# Altium PCB PCB_usbHUB.PcbDoc (continued)
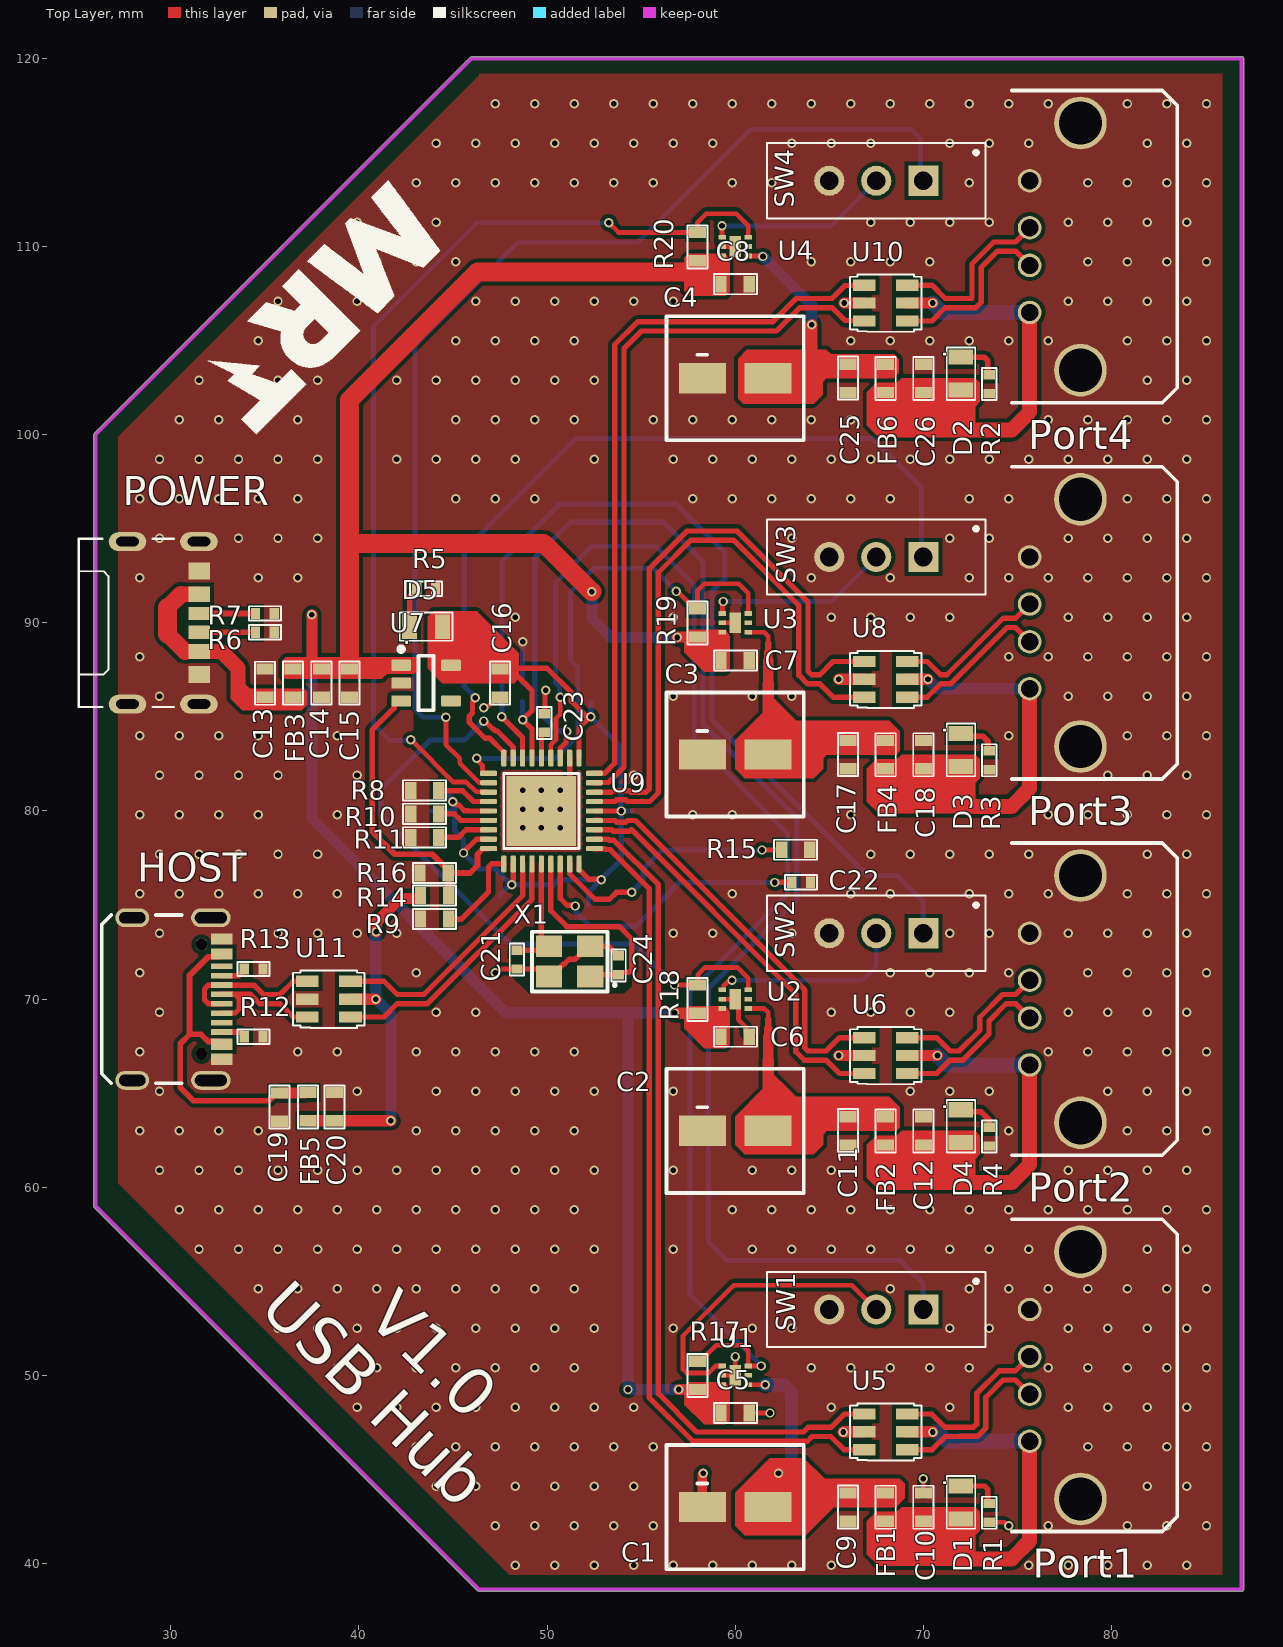
[diagram p0: Top Layer view]
## Part data (continued)
U9: "USB Bus Controller, CMOS", Case/Package=HVQCCN, Manufacturer=Microchip, Max Operating Temperature=85°C, Max Supply Voltage=3.6V, Min Operating Temperature=0°C, Min Supply Voltage=3V, Nominal Supply Voltage=3.3V, Package Shape=Square, Package Style="CHIP CARRIER, HEAT SINK/SLUG, VERY THIN PROFILEMeter", Supplier Part Number=USB2514B/M2-ND, Temperature Grade=OTHER, Category="DSPs - Digital Signal Processors", ComponentLink1Description=https://datasheet.ciiva.com:443/pdfs/VipMasterIC/IC/MCHP/MCHP-S-A0001117205/MCHP-S-A0001117205-1.pdf?src-supplier=IHS+Markit, ComponentLink1URL=https://datasheet.ciiva.com:443/pdfs/VipMasterIC/IC/MCHP/MCHP-S-A0001117205/MCHP-S-A0001117205-1.pdf?src-supplier=IHS+Markit, ComponentLink2Description=http://www.farnell.com/datasheets/2032129.pdf?src-supplier=Farnell, ComponentLink2URL=http://www.farnell.com/datasheets/2032129.pdf?src-supplier=Farnell, ComponentLink3Description=http://www.microchip.com/mymicrochip/filehandler.aspx?ddocname=en562310&src-supplier=Digikey, ComponentLink3URL=http://www.microchip.com/mymicrochip/filehandler.aspx?ddocname=en562310&src-supplier=Digikey, ComponentLink4Description=http://ww1.microchip.com/downloads/en/DeviceDoc/00001692B.pdf?src-supplier=Avnet, ComponentLink4URL=http://ww1.microchip.com/downloads/en/DeviceDoc/00001692B.pdf?src-supplier=Avnet, ComponentLink5Description=https://datasheet.octopart.com/USB2514B-M2-Microchip-datasheet-133510383.pdf?src-supplier=Future+Electronics, ComponentLink5URL=https://datasheet.octopart.com/USB2514B-M2-Microchip-datasheet-133510383.pdf?src-supplier=Future+Electronics, Height - Seated (Max)=1mm, JESD-609 Code=e3, Length=6mm, Manufacturer Part Number=USB2514B/M2, Pins=36, Pricing="1=2,77, 25=2,31, 100=2,225 (USD)", Reach SVHC Compliant=Yes, RoHS=Yes, RoHS Compliant=Yes, Stock=24694, Supplier=Digikey, Surface Mount=Yes, Technology=CMOS, Terminal Finish=Tin, Terminal Form="No Lead", Terminal Pitch=0.5mm, Terminal Position=QUAD, Width=6mm
X1: library part "TSX-3225 24.0000MF15X-AC3", "Crystals 24MHz 10ppm 9pF-40C +85C"

## Via types
v1: diameter 0.5, hole 0.3, Top Layer to Bottom Layer, tented both sides, 585 vias
v2: diameter 0.7, hole 0.3, Top Layer to Bottom Layer, tented both sides, 9 vias

## Nets (pads, with @x,y where several pads share a name; then routed paths per layer and width w, separated by ;. In a path a pad name is that pad's centre, name@x,y a point inside that pad or via, vN(x,y) a via of type N, cw(c..) or ccw(c..) an arc to the next point about the centre after c; other vN are vias at no path point)
+3V3: C16.2 C27.2 C28.2 C29.2 C30.2 C31.2 C32.2 C33.2 D5.2 U7.5 U9.5 U9.10 U9.15 U9.23 U9.26 U9.29 U9.36 | length 50.1
  Top Layer w0.28: v1(44.985,80.483) 45.045,80.483 45.198,80.33 45.285,80.33 45.598,80.017 45.796,80.017 45.813,80 U9.23 ; v1(45.56,77.768) 45.56,77.81 46.25,78.5 U9.26 ; C16.2 47.65,87.55 48.05,87.55 49.2,86.4 49.2,85.35 v1(48.7,84.85) 49.2,84.35 U9.15 ; 48.05,87.589 49.995,87.589 51.29,86.294 51.29,85.835 v1@52.125,85 ; v1(48.116,76.075) 48.116,76.135 48.2,76.219 U9.29 ; U9.36 51.7,76.88 52.205,76.375 52.85,76.375 v1(52.875,76.35) ; U9.10 51.7,84.425 52.275,85 v1(52.325,85) ; U9.5 v1(53.95,80)
  Bottom Layer w0.28: C30.2 45.095,80 ; C27.2 44.25,81.35 44.943,80.657 44.943,80.526 v1(44.985,80.483) ; v1@45.095,80.505 45.095,80 ; C31.2 47.5,75.55 v1@47.983,76.033 ; v1(48.7,84.85) C29.2 ; C33.2 52.2,75.675 v1(52.875,76.35) ; C32.2 v1(52.325,85) 53.91,83.415 53.91,80.04 v1(53.95,80) ; C28.2 v1(53.95,80) ; 45.095,80 45.095,78.933 45.56,78.468 v1(45.56,77.768) 46.406,76.921 47.269,76.921 v1(48.116,76.075) 50.358,76.075 50.633,76.35 v1(52.875,76.35) ; v1(52.875,76.35) 53.95,77.425 v1(53.95,80)
+5V: C13.2 FB3.1 POWER.A9 POWER.B9 | length 10.5
  Top Layer w0.8: 30.533,91.52 POWER.B9 ; 30.749,88.48 POWER.A9 32.695,88.48 33.575,87.6 33.575,86.569 34.044,86.1 C13.2@34.95,86.1
  Top Layer w0.9: 29.829,89.4 30.749,88.48 ; 29.829,90.816 30.533,91.52
  Top Layer w1: 29.829,89.4 29.829,90.816
+5V_FILT: C5.1 C6.1 C7.1 C8.1 C14.2 C15.2 FB3.2 R17.2 R18.2 R19.2 R20.2 U1.6 U2.6 U3.6 U4.6 U7.1 | length 120.7
  Top Layer w0.2: R17.2 58.15,49.25 58.4,49.5 U1.6
  Top Layer w0.6: 37.25,87.75 37.5,88 v1(37.5,90.425) ; v1(56.775,69.275) 56.8,69.25 R18.2 ; v1(56.925,89.225) 56.95,89.25 R19.2 ; v1(57,49.25) R17.2
  Top Layer w1: C15.2 39.5,94.225 ; v1(52.383,91.659) 49.817,94.225 39.5,94.225 ; 58,108.425 57.775,108.65 46.3,108.65 39.5,101.85 39.5,94.225
  Bottom Layer w0.6: v1(37.5,90.425) 37.5,79.6 47.825,69.275 54.25,69.275 ; v1(52.383,91.659) 52.383,90.232 53.39,89.225 v1(56.925,89.225) ; v1(56.775,69.275) 54.25,69.275 ; v1(57,49.25) v1(54.3,49.25) 54.3,69.225 54.25,69.275
+5V_HOST: C19.2 FB5.1 HOST.A4-B9 HOST.B4-A9 | length 17.5
  Top Layer w0.3: HOST.B4-A9 32.557,67.75 32.106,67.75 31.987,67.75 31.61,68.127 31,68.127 30.5,67.627 30.5,65.3 31.2,64.6 35.218,64.6 35.628,65.01 C19.2
  Top Layer w0.31: 31,68.127 31,68.75 31,71.271 31.984,72.255 32.562,72.255 HOST.A4-B9
  Top Layer w0.6: C19.2 37.126,65.01 37.15,65.034 FB5.1
+5V_HOST_FILT: C20.2 FB5.2 R14.2 U11.5 | length 19.7
  Top Layer w0.6: FB5.2 v1(41.7,63.534) ; U11.5 v1(40.9,70) ; v1(40.925,73.575) 40.925,74.1 42.175,75.35 43.274,75.35 R14.2
  Bottom Layer w0.6: v1(40.925,73.575) 40.9,73.55 v1(40.9,70) 41.7,69.2 v1(41.7,63.534)
+5V_PORT1: C1.2 C9.2 FB1.1 U1.1 | length 7.7
  Top Layer w0.25: U1.1 v1(61.6,49.5)
  Top Layer w0.7: 62.3,44.125 v1(62.3,44.8)
  Bottom Layer w0.7: v1(61.6,49.5) 62.59,49.5 63,49.09 63,45.5 v1(62.3,44.8)
+5V_PORT1_FILT: C10.2 D1.2 FB1.2 Port1.1 U5.5 | length 18.7
  Top Layer w0.6: U5.5 70.487,47 v1(70.5,46.987)
  Top Layer w0.8: C10.2 70,42.2 71.95,40.25 74.7,40.25 75.65,41.2 Port1.1
  Bottom Layer w0.8: 70.75,47 71.25,46.5 Port1.1
+5V_PORT2: C2.2 C11.2 FB2.1 U2.1 | length 7.4
  Top Layer w0.25: U2.1 61.55,69.5 61.75,69.3 61.75,68.925
  Top Layer w0.35: 61.75,68.45 61.75,68.925
  Top Layer w0.45: 61.75,68 61.75,68.45
  Top Layer w0.55: 61.75,66.757 61.75,68
  Top Layer w0.6: C2.2 61.75,66.757
+5V_PORT2_FILT: C12.2 D4.2 FB2.2 Port2.1 U6.5 | length 18.9
  Top Layer w0.6: U6.5 70.5,67 v1(70.75,67)
  Top Layer w0.8: C12.2 70,62.2 71.95,60.25 74.7,60.25 75.65,61.2 Port2.1
  Bottom Layer w0.8: v1(70.75,67) 71.25,66.5 Port2.1
+5V_PORT3: C3.2 C17.2 FB4.1 U3.1 | length 7.4
  Top Layer w0.25: U3.1 61.55,89.5 61.75,89.3 61.75,88.925
  Top Layer w0.35: 61.75,88.45 61.75,88.925
  Top Layer w0.45: 61.75,88 61.75,88.45
  Top Layer w0.55: 61.75,86.757 61.75,88
  Top Layer w0.6: C3.2 61.75,86.757
+5V_PORT3_FILT: C18.2 D3.2 FB4.2 Port3.1 U8.5 | length 18.9
  Top Layer w0.6: U8.5 v1(70.25,87)
  Top Layer w0.8: C18.2 70,82.2 71.95,80.25 74.7,80.25 75.65,81.2 Port3.1
  Bottom Layer w0.6: v1(70.25,87) 70.75,86.5 Port3.1
+5V_PORT4: C4.2 C25.2 FB6.1 U4.1 | length 10.4
  Top Layer w0.25: U4.1 61.45,109.5 v1(61.475,109.475)
  Top Layer w0.6: C4.2 61.9,103.15 63.724,103.15 64.075,103.501 v1(64.075,105.85)
  Bottom Layer w0.6: v1(61.475,109.475) 64.075,106.875 v1(64.075,105.85)
+5V_PORT4_FILT: C26.2 D2.2 FB6.2 Port4.1 U10.5 | length 18.9
  Top Layer w0.6: U10.5 v1(70.5,107)
  Top Layer w0.8: C26.2 70,102.2 71.95,100.25 74.7,100.25 75.65,101.2 Port4.1
  Bottom Layer w0.8: v1(70.5,107) 71,106.5 Port4.1
CFG0: R10.1 U9.24 | length 2.8
  Top Layer w0.28: R10.1 45.069,79.85 45.419,79.5 U9.24
CFG1: R11.1 U9.25 | length 2.8
  Top Layer w0.28: R11.1 45.295,78.6 45.695,79 U9.25
CRFILT: C23.1 U9.14 | length 1.5
  Top Layer w0.28: U9.14 49.7,84.065 49.81,84.175 C23.1
EN1: SW1.1 U9.12 | length 76.3
  Top Layer w0.28: U9.12 50.7,83.34 51.008,83.648 51.008,84.183 v1(51.05,84.225)
  Bottom Layer w0.28: v1(51.05,84.225) 51.008,84.267 50.557,84.267 49.34,85.484 49.34,93.44 51.25,95.35 56.2,95.35 58.29,93.26 58.29,84.631 63.265,79.656 63.265,75.271 58.575,70.581 58.575,57.075 59.55,56.1 68.775,56.1 70,54.875 SW1.1
EN2: SW2.1 U9.16 | length 51.2
  Top Layer w0.28: v1(47.6,85) 48.7,83.9 U9.16
  Bottom Layer w0.28: v1(47.6,85) 47.6,93.275 50.625,96.3 56.875,96.3 59.45,93.725 59.45,92.35 58.77,91.67 58.77,84.83 67.025,76.575 68.6,76.575 70,75.175 SW2.1
EN3: SW3.1 U9.18 | length 43.9
  Top Layer w0.28: v1(46.191,86.025) 46.191,85.965 46.035,85.809 46.035,85.215 45.868,85.048 45.868,84.707 46.713,83.862 46.958,83.862 47.7,83.12 U9.18
  Bottom Layer w0.28: v1(46.191,86.025) 45.6,86.616 45.6,93.85 51.55,99.8 67.3,99.8 69.9,97.2 69.9,93.6 SW3.1
EN4: SW4.1 U9.20 | length 60
  Top Layer w0.25: v1(44.625,84.975) 44.625,83.517 45.351,82.791 45.351,82.53 46.366,81.515 46.875,81.515 U9.20
  Bottom Layer w0.25: v1(44.625,84.975) 43.4,84.975 42.975,85.4 42.975,104.725 48.475,110.225 54.825,110.225 60.825,116.225 69.35,116.225 69.85,115.725 69.85,113.65 SW4.1
ENABLE1: SW1.2 U1.4 | length 16
  Top Layer w0.25: U1.4 58.96,50.5 58.585,50.125 57.415,50.125 57.225,50.315 57.225,52.1 59.921,54.796 66.204,54.796 SW1.2
ENABLE2: SW2.2 U2.4 | length 10.6
  Top Layer w0.25: U2.4 59.375,70.5 59.375,70.685 59.643,70.952 59.781,70.952 v1(59.829,71)
  Bottom Layer w0.25: v1(59.829,71) 66.775,71 67.5,71.725 SW2.2
ENABLE3: SW3.2 U3.4 | length 9.8
  Top Layer w0.25: U3.4 59.33,90.5 59.33,91.105 v1(59.36,91.135)
  Bottom Layer w0.25: v1(59.36,91.135) 65.135,91.135 SW3.2
ENABLE4: SW4.2 U4.4 | length 9.8
  Top Layer w0.25: U4.4 v1(59.3,111.1)
  Bottom Layer w0.25: v1(59.3,111.1) 65.1,111.1 SW4.2
GND: C1.1 C2.1 C3.1 C4.1 C5.2 C6.2 C7.2 C8.2 C9.1 C10.1 C11.1 C12.1 C13.1 C14.1 C15.1 C16.1 C17.1 C18.1 C19.1 C20.1 C21.2 C22.2 C23.2 C24.2 C25.1 C26.1 C27.1 C28.1 C29.1 C30.1 C31.1 C32.1 C33.1 HOST.A1-B12 HOST.B1-A12 HOST.SH Port1.4 Port1.5 Port2.4 Port2.5 Port3.4 Port3.5 Port4.4 Port4.5 POWER.7 POWER.A12 POWER.B12 R1.2 R2.2 R3.2 R4.2 R5.1 R6.1 R7.1 R8.2 R9.2 R10.2 R11.2 R12.1 R13.1 R15.1 R16.1 SW1.3 SW2.3 SW3.3 SW4.3 U1.5 U1.GND U2.5 U2.GND U3.5 U3.GND U4.5 U4.GND U5.2 U6.2 U7.2 U8.2 U9.11 U9.37 U10.2 U11.2 X1.2 X1.4 | length 31.5
  Top Layer w0.25: v1(46.63,85.48) 46.678,85.528 46.828,85.528 47.35,86.05 C16.1 ; v1(47.25,71.4) 47.318,71.4 47.518,71.6 C21.2 49.7,71.6 X1.2 ; C23.2 49.89,85.215 49.89,86.369 v1(49.93,86.409) ; U1.5 U1.GND v1(60,51) ; U2.5 U2.GND 60.175,69.825 60.175,68.908 60.575,68.508 60.575,68.175 C6.2 ; U3.5 U3.GND ; U4.5 U4.GND ; C5.2 v1(61.85,48) ; C10.1 v1(70,44.5) ; R1.2 74.291,42.191 74.482,42 v1(74.55,42)
  Top Layer w0.28: U9.37 51.2,81.5 U9.11 ; X1.2 50.225,71.2 50.91,71.885 50.941,71.885 51.171,72.115 51.49,72.115 52.175,72.8 X1.4 53.3,72.8 53.64,72.46 53.64,72.41 53.75,72.3 C24.2
  Top Layer w0.5: C1.1 58.25,44.75 v1(58.3,44.8)
  Top Layer w0.6: v1(65.5,67) U6.2 ; v1(65.5,87) U8.2 ; v1(65.75,46.987) 65.763,47 U5.2 ; v1(65.802,107) U10.2
  Bottom Layer w0.28: C29.1 v1(48.7,89)
  other v1: 48.3,39.9 50.4,39.9 52.5,39.9 54.6,39.9 56.7,39.9 58.8,39.9 60.9,39.9 63,39.9 65.1,39.9 75.6,39.9 77.7,39.9 79.8,39.9 81.9,39.9 84,39.9 47.25,42 49.35,42 51.45,42 53.55,42 55.65,42 76.65,42 80.85,42 82.95,42 85.05,42 44.1,44.1 46.2,44.1 48.3,44.1 50.4,44.1 52.5,44.1 54.6,44.1 81.9,44.1 84,44.1 43.05,46.2 45.15,46.2 47.25,46.2 49.35,46.2 51.45,46.2 53.55,46.2 55.65,46.2 78.75,46.2 80.85,46.2 82.95,46.2 85.05,46.2 39.9,48.3 42,48.3 44.1,48.3 46.2,48.3 48.3,48.3 50.4,48.3 52.5,48.3 54.6,48.3 65.1,48.3 71.4,48.3 77.7,48.3 79.8,48.3 81.9,48.3 84,48.3 38.85,50.4 40.95,50.4 43.05,50.4 45.15,50.4 47.25,50.4 49.35,50.4 51.45,50.4 64.05,50.4 66.15,50.4 68.25,50.4 70.35,50.4 72.45,50.4 76.65,50.4 78.75,50.4 80.85,50.4 82.95,50.4 85.05,50.4 35.7,52.5 37.8,52.5 39.9,52.5 42,52.5 44.1,52.5 46.2,52.5 48.3,52.5 50.4,52.5 52.5,52.5 56.7,52.5 60.9,52.5 63,52.5 71.4,52.5 73.5,52.5 77.7,52.5 79.8,52.5 81.9,52.5 84,52.5 34.65,54.6 36.75,54.6 38.85,54.6 40.95,54.6 43.05,54.6 45.15,54.6 47.25,54.6 49.35,54.6 51.45,54.6 68.25,54.6 72.45,54.6 74.55,54.6 76.65,54.6 78.75,54.6 80.85,54.6 82.95,54.6 85.05,54.6 31.5,56.7 33.6,56.7 35.7,56.7 37.8,56.7 39.9,56.7 42,56.7 44.1,56.7 46.2,56.7 48.3,56.7 50.4,56.7 52.5,56.7 56.7,56.7 60.9,56.7 63,56.7 65.1,56.7 67.2,56.7 69.3,56.7 71.4,56.7 73.5,56.7 75.6,56.7 81.9,56.7 84,56.7 30.45,58.8 32.55,58.8 34.65,58.8 36.75,58.8 38.85,58.8 40.95,58.8 43.05,58.8 45.15,58.8 47.25,58.8 49.35,58.8 51.45,58.8 59.85,58.8 61.95,58.8 64.05,58.8 66.15,58.8 68.25,58.8 70.35,58.8 72.45,58.8 74.55,58.8 76.65,58.8 78.75,58.8 80.85,58.8 82.95,58.8 85.05,58.8 29.4,60.9 31.5,60.9 33.6,60.9 35.7,60.9 37.8,60.9 39.9,60.9 42,60.9 44.1,60.9 46.2,60.9 48.3,60.9 50.4,60.9 52.5,60.9 56.7,60.9 60.9,60.9 63,60.9 65.1,60.9 77.7,60.9 79.8,60.9 81.9,60.9 84,60.9 28.35,63 30.45,63 32.55,63 34.65,63 43.05,63 45.15,63 47.25,63 49.35,63 51.45,63 74.55,63 80.85,63 82.95,63 85.05,63 29.4,65.1 39.9,65.1 44.1,65.1 46.2,65.1 48.3,65.1 50.4,65.1 52.5,65.1 56.7,65.1 69.3,65.1 71.4,65.1 73.5,65.1 79.8,65.1 81.9,65.1 84,65.1 28.35,67.2 36.75,67.2 38.85,67.2 43.05,67.2 45.15,67.2 47.25,67.2 49.35,67.2 51.45,67.2 76.65,67.2 78.75,67.2 80.85,67.2 82.95,67.2 85.05,67.2 29.4,69.3 44.1,69.3 46.2,69.3 65.1,69.3 67.2,69.3 69.3,69.3 71.4,69.3 77.7,69.3 79.8,69.3 81.9,69.3 84,69.3 28.35,71.4 43.05,71.4 68.25,71.4 70.35,71.4 72.45,71.4 74.55,71.4 78.75,71.4 80.85,71.4 82.95,71.4 85.05,71.4 29.4,73.5 35.7,73.5 37.8,73.5 39.9,73.5 42,73.5 56.7,73.5 58.8,73.5 63,73.5 71.4,73.5 73.5,73.5 77.7,73.5 79.8,73.5 81.9,73.5 84,73.5 28.35,75.6 30.45,75.6 32.55,75.6 34.65,75.6 36.75,75.6 38.85,75.6 59.85,75.6 66.15,75.6 68.25,75.6 72.45,75.6 74.55,75.6 76.65,75.6 80.85,75.6 82.95,75.6 85.05,75.6 29.4,77.7 31.5,77.7 33.6,77.7 35.7,77.7 37.8,77.7 67.2,77.7 69.3,77.7 71.4,77.7 73.5,77.7 75.6,77.7 81.9,77.7 84,77.7 28.35,79.8 30.45,79.8 32.55,79.8 34.65,79.8 38.85,79.8 57.75,79.8 59.85,79.8 66.15,79.8 76.65,79.8 78.75,79.8 80.85,79.8 82.95,79.8 85.05,79.8 29.4,81.9 31.5,81.9 33.6,81.9 35.7,81.9 39.9,81.9 54.6,81.9 79.8,81.9 81.9,81.9 84,81.9 28.35,84 30.45,84 32.55,84 34.65,84 38.85,84 74.55,84 80.85,84 82.95,84 85.05,84 29.4,86.1 56.7,86.1 60.9,86.1 63,86.1 77.7,86.1 79.8,86.1 81.9,86.1 84,86.1 28.35,88.2 74.55,88.2 76.65,88.2 78.75,88.2 80.85,88.2 82.95,88.2 85.05,88.2 48.3,90.3 56.7,90.3 65.1,90.3 67.2,90.3 69.3,90.3 71.4,90.3 77.7,90.3 79.8,90.3 81.9,90.3 84,90.3 28.35,92.4 34.65,92.4 36.75,92.4 64.05,92.4 68.25,92.4 72.45,92.4 74.55,92.4 76.65,92.4 78.75,92.4 80.85,92.4 82.95,92.4 85.05,92.4 29.4,94.5 33.6,94.5 35.7,94.5 37.8,94.5 63,94.5 71.4,94.5 73.5,94.5 77.7,94.5 79.8,94.5 81.9,94.5 84,94.5 28.35,96.6 30.45,96.6 32.55,96.6 34.65,96.6 36.75,96.6 45.15,96.6 47.25,96.6 49.35,96.6 57.75,96.6 59.85,96.6 61.95,96.6 64.05,96.6 66.15,96.6 68.25,96.6 72.45,96.6 74.55,96.6 80.85,96.6 82.95,96.6 85.05,96.6 29.4,98.7 31.5,98.7 33.6,98.7 35.7,98.7 37.8,98.7 42,98.7 44.1,98.7 46.2,98.7 48.3,98.7 52.5,98.7 56.7,98.7 58.8,98.7 60.9,98.7 63,98.7 65.1,98.7 67.2,98.7 69.3,98.7 71.4,98.7 73.5,98.7 75.6,98.7 77.7,98.7 79.8,98.7 81.9,98.7 84,98.7 30.45,100.8 32.55,100.8 34.65,100.8 36.75,100.8 45.15,100.8 47.25,100.8 49.35,100.8 51.45,100.8 55.65,100.8 57.75,100.8 59.85,100.8 61.95,100.8 64.05,100.8 66.15,100.8 76.65,100.8 78.75,100.8 80.85,100.8 82.95,100.8 85.05,100.8 31.5,102.9 33.6,102.9 35.7,102.9 37.8,102.9 42,102.9 44.1,102.9 46.2,102.9 48.3,102.9 50.4,102.9 52.5,102.9 81.9,102.9 84,102.9 34.65,105 36.75,105 38.85,105 45.15,105 47.25,105 49.35,105 51.45,105 66.15,105 68.25,105 70.35,105 72.45,105 74.55,105 76.65,105 80.85,105 82.95,105 85.05,105 35.7,107.1 37.8,107.1 39.9,107.1 46.2,107.1 48.3,107.1 50.4,107.1 52.5,107.1 54.6,107.1 56.7,107.1 77.7,107.1 79.8,107.1 81.9,107.1 84,107.1 38.85,109.2 40.95,109.2 43.05,109.2 45.15,109.2 64.05,109.2 66.15,109.2 68.25,109.2 70.35,109.2 78.75,109.2 80.85,109.2 82.95,109.2 85.05,109.2 39.9,111.3 42,111.3 44.1,111.3 67.2,111.3 69.3,111.3 71.4,111.3 73.5,111.3 77.7,111.3 79.8,111.3 81.9,111.3 84,111.3 43.05,113.4 45.15,113.4 47.25,113.4 49.35,113.4 51.45,113.4 53.55,113.4 55.65,113.4 59.85,113.4 61.95,113.4 72.45,113.4 78.75,113.4 80.85,113.4 82.95,113.4 85.05,113.4 44.1,115.5 46.2,115.5 48.3,115.5 50.4,115.5 52.5,115.5 54.6,115.5 56.7,115.5 58.8,115.5 63,115.5 65.1,115.5 67.2,115.5 71.4,115.5 73.5,115.5 75.6,115.5 81.9,115.5 84,115.5 47.25,117.6 49.35,117.6 51.45,117.6 53.55,117.6 55.65,117.6 57.75,117.6 59.85,117.6 61.95,117.6 64.05,117.6 66.15,117.6 68.25,117.6 70.35,117.6 72.45,117.6 74.55,117.6 76.65,117.6 80.85,117.6 82.95,117.6 85.05,117.6
  other v2: 48.7,79.1 49.7,79.1 50.7,79.1 48.7,80.1 49.7,80.1 50.7,80.1 48.707,81.1 49.7,81.1 50.7,81.1
HOST_N: HOST.A7 HOST.B7 U11.1 | length 7.6
  Top Layer w0.282: HOST.A7 32.697,69.759 31.99,69.759 31.791,69.959 31.791,70.541 31.99,70.741 32.697,70.741 HOST.B7 32.713,70.743 34.432,70.743 34.932,70.243 35.803,70.243 36.509,70.95 U11.1
HOST_P: HOST.A6 HOST.B6 U11.3 | length 7.6
  Top Layer w0.282: HOST.A6 32.713,70.257 34.23,70.257 34.73,69.757 35.803,69.757 36.509,69.05 U11.3 ; HOST.B6@32.716,69.259 33.423,69.259 33.622,69.459 33.622,70.041 33.423,70.241 HOST.A6@32.716,70.241
HOUT_N: U9.30 U11.6 | length 13.3
  Top Layer w0.282: U11.6 41.33,70.95 42.036,70.243 43.443,70.243 48.707,75.507 48.707,76.875 48.7,76.882 U9.30
HOUT_P: U9.31 U11.4 | length 14.1
  Top Layer w0.282: U11.4 41.33,69.05 42.036,69.757 43.645,69.757 49.193,75.305 49.193,76.875 49.2,76.882 U9.31
NetD1_1: D1.1 R1.1 | length 2.3
  Top Layer w0.282: D1.1 73.255,44.12 73.42,43.955 73.42,43.271 R1.1
NetD2_1: D2.1 R2.1 | length 2.3
  Top Layer w0.3: D2.1 73.241,104.12 73.417,103.944 73.417,103.274 R2.1
NetD3_1: D3.1 R3.1 | length 2.2
  Top Layer w0.3: D3.1 72.15,83.97 73.157,83.97 73.45,83.677 73.45,83.191 R3.1
NetD4_1: D4.1 R4.1 | length 2.1
  Top Layer w0.3: D4.1 72.104,64.016 73.07,64.016 73.5,63.586 R4.1
NetD5_1: D5.1 R5.2 | length 2.2
  Top Layer w0.3: D5.1 42.693,91.385 43.068,91.76 R5.2
NetJ1_A5: HOST.A5 R13.2 | length 1.4
  Top Layer w0.3: HOST.A5 33.6,71.25 33.9,71.55 R13.2
NetJ1_B5: HOST.B5 R12.2 | length 1.3
  Top Layer w0.3: HOST.B5 33.7,68.25 33.9,68.05 R12.2
NetR6_2: POWER.B5 R6.2 | length 3
  Top Layer w0.3: POWER.B5 R6.2
NetR7_2: POWER.A5 R7.2 | length 3
  Top Layer w0.3: POWER.A5 R7.2
NR0: R9.1 U9.28 | length 4.9
  Top Layer w0.28: R9.1 45.45,74.25 46.89,75.69 46.89,77.026 47.054,77.19 U9.28
NR1: R8.1 U9.22 | length 2.9
  Top Layer w0.28: R8.1 44.277,81.073 45.514,81.073 46.087,80.5 U9.22
OCS1: R17.1 U1.3 U9.13 | length 70.6
  Top Layer w0.25: U9.13 50.2,83.515 50.475,83.79 50.475,84.925 50.7,85.15 v1(50.7,86.05) ; R17.1 58.15,50.75 59,51.6 60.4,51.6 60.7,51.3 U1.3 v1(61.375,50.5)
  Bottom Layer w0.25: v1(50.7,86.05) 50.652,86.098 50.652,86.598 50.45,86.8 50.45,92.142 52.383,94.075 55.775,94.075 57.825,92.025 57.825,83.775 62.8,78.8 62.8,75.6 57.6,70.4 57.6,54.275 v1(61.375,50.5)
OCS2: R18.1 U2.3 U9.17 | length 35.9
  Top Layer w0.25: v1(56.775,70.75) R18.1 58.025,70.775 58.025,71.325 58.375,71.675 60.125,71.675 60.7,71.1 U2.3
  Top Layer w0.28: v1(46.63,84.78) 46.689,84.78 47.127,84.342 47.167,84.342 47.258,84.251 47.349,84.251 48.2,83.4 U9.17
  Bottom Layer w0.28: v1(46.63,84.78) 45.628,83.778 43.797,83.778 41.153,81.133 41.153,79.817 48.044,72.926 54.599,72.926 v1(56.775,70.75)
OCS3: R19.1 U3.3 U9.19 | length 28.2
  Top Layer w0.25: v1(46.267,82.793) 46.267,82.726 46.565,82.427 46.565,82.015 46.58,82 U9.19 ; v1(56.875,91.67) 56.93,91.67 57.85,90.75 R19.1 58,91.725 58.35,92.075 60.2,92.075 60.7,91.575 U3.3
  Bottom Layer w0.25: v1(46.267,82.793) 50.432,82.793 51.625,83.987 51.625,87.635 51.25,88.01 51.25,91.659 52.491,92.9 55.645,92.9 v1(56.875,91.67)
OCS4: R20.1 U4.3 U9.21 | length 52.8
  Top Layer w0.25: v1(42.75,83.778) 42.782,83.778 45.021,81.538 45.707,81.538 46.23,81.015 46.875,81.015 U9.21 ; v1(53.275,111.275) 53.8,110.75 R20.1 58,111.3 58.45,111.75 60.05,111.75 60.7,111.1 U4.3
  Bottom Layer w0.25: v1(42.75,83.778) 42.723,83.751 41.624,83.751 40.775,84.6 40.775,105.775 46.275,111.275 v1(53.275,111.275)
PLLFILT: C22.1 U9.34 | length 15.9
  Top Layer w0.28: U9.34 50.7,75.359 51.067,74.992 51.458,74.992 v1(51.5,74.95) ; v1(62.1,76.2) 62.108,76.208 C22.1
  Bottom Layer w0.28: v1(51.5,74.95) 51.542,74.908 51.542,74.627 52.294,73.875 54.72,73.875 57.045,76.2 v1(62.1,76.2)
PORT1_N: Port1.2 U5.4 | length 9.3
  Top Layer w0.282: U5.4 70.47,46.05 71.168,46.749 71.942,46.749 71.95,46.757 72.871,46.757 73.321,47.207 73.321,48.835 74.243,49.757 74.893,49.757 Port1.2
PORT1_P: Port1.3 U5.6 | length 9.3
  Top Layer w0.282: U5.6 70.443,47.95 71.158,47.236 71.74,47.236 71.748,47.243 72.669,47.243 72.834,47.409 72.834,49.037 74.041,50.243 74.893,50.243 Port1.3
PORT2_N: Port2.2 U6.4 | length 8.8
  Top Layer w0.282: U6.4 70.707,66.05 71.413,66.757 72.104,66.757 73.487,68.139 73.487,68.835 74.409,69.757 74.893,69.757 Port2.2
PORT2_P: Port2.3 U6.6 | length 8.8
  Top Layer w0.282: U6.6 70.707,67.95 71.413,67.243 71.902,67.243 73,68.341 73,69.037 74.207,70.243 74.893,70.243 Port2.3
PORT3_N: Port3.2 U8.4 | length 8.3
  Top Layer w0.282: U8.4 70.206,86.05 70.913,86.757 71.445,86.757 74.445,89.757 74.893,89.757 Port3.2
PORT3_P: Port3.3 U8.6 | length 8.3
  Top Layer w0.282: U8.6 70.207,87.95 70.913,87.243 71.243,87.243 74.243,90.243 74.893,90.243 Port3.3
PORT4_N: Port4.2 U10.4 | length 9.4
  Top Layer w0.282: U10.4 70.457,106.05 71.163,106.757 71.705,106.757 72.79,106.757 73.075,107.042 73.075,108.887 73.945,109.757 74.893,109.757 Port4.2
PORT4_P: Port4.3 U10.6 | length 9.4
  Top Layer w0.282: U10.6 70.457,107.95 71.163,107.243 71.907,107.243 72.588,107.243 72.588,109.088 73.744,110.243 74.893,110.243 Port4.3
RBIAS: R15.2 U9.35 | length 13.8
  Top Layer w0.28: U9.35 51.2,76.66 52.555,75.305 53.313,75.305 53.683,75.675 v1(54.5,75.675) ; v1(61.425,77.925) 62.453,77.925 R15.2
  Bottom Layer w0.28: v1(54.5,75.675) 55.1,76.275 55.1,76.9 56.125,77.925 v1(61.425,77.925)
USB1_N: U5.3 U9.1 | length 43.6
  Top Layer w0.282: U9.1 52.511,77.999 53.056,77.999 53.102,77.953 53.354,77.953 55.426,75.881 55.426,48.824 57.75,46.5 63.832,46.5 64.081,46.749 65.082,46.749 65.78,46.05 U5.3
USB1_P: U5.1 U9.2 | length 43.6
  Top Layer w0.282: U9.2 52.511,78.499 53.245,78.499 53.304,78.44 53.556,78.44 55.913,76.083 55.913,49.026 57.952,46.987 63.63,46.987 63.879,47.236 65.092,47.236 65.807,47.95 U5.1
USB2_N: U6.3 U9.3 | length 21.6
  Top Layer w0.282: U9.3 52.818,79 52.825,79.007 53.419,79.007 53.503,78.922 54.397,78.922 54.481,79.007 54.489,79.007 63.218,70.278 63.218,67.207 63.668,66.757 64.295,66.757 64.837,66.757 65.544,66.05 U6.3
USB2_P: U6.1 U9.4 | length 21.6
  Top Layer w0.282: U9.4 52.818,79.5 52.825,79.493 53.621,79.493 53.705,79.409 54.195,79.409 54.279,79.493 54.691,79.493 63.705,70.479 63.705,67.409 63.87,67.243 64.837,67.243 65.543,67.95 U6.1
USB3_N: U8.3 U9.6 | length 32.6
  Top Layer w0.282: U9.6 52.818,80.5 52.825,80.507 53.621,80.507 53.705,80.591 54.195,80.591 54.279,80.507 55.461,80.507 55.911,80.957 55.911,92.662 57.643,94.394 59.902,94.394 63.385,90.912 63.385,87.222 63.85,86.757 64.5,86.757 65.207,86.05 U8.3
USB3_P: U8.1 U9.7 | length 32.6
  Top Layer w0.282: U9.7 52.818,81 52.825,80.993 53.419,80.993 53.503,81.078 54.397,81.078 54.481,80.993 55.259,80.993 55.424,81.159 55.424,92.864 57.441,94.881 60.104,94.881 63.872,91.113 63.872,87.424 64.052,87.243 64.5,87.243 65.207,87.95 U8.1
USB4_N: U9.8 U10.3 | length 38.1
  Top Layer w0.282: U9.8 52.818,81.5 52.83,81.512 53.256,81.512 54.087,82.343 54.087,104.587 55.013,105.513 62.194,105.513 63.438,106.757 65.139,106.757 65.827,106.069 66.831,106.069 U10.3
USB4_P: U9.9 U10.1 | length 38.1
  Top Layer w0.282: U9.9@52.511,81.999 53.054,81.999 53.6,82.545 53.6,104.789 54.811,106 61.993,106 63.236,107.243 65.139,107.243 65.827,107.931 66.831,107.931 U10.1
VBUS_DET: R14.1 R16.2 U7.3 U9.27 | length 17
  Top Layer w0.3: U7.3 42.018,85.85 41.868,85.7 41.868,85.475 40.7,84.307 40.7,78.9 41.9,77.7 43.9,77.7 44.75,76.85 R16.2 ; R14.1 44.762,75.512 44.762,76.688 R16.2 ; U9.27 46.6,78 46.3,77.7 46.3,77.1 45.9,76.7 R16.2
XIN: C24.1 U9.33 X1.1 | length 11.4
  Top Layer w0.28: U9.33 50.2,74.7 51.05,73.85 53.85,73.85 54.5,73.2 54.5,71.574 54.336,71.41 53.91,71.41 C24.1 52.4,71.3 X1.1
XOUT: C21.1 U9.32 X1.3 | length 6.3
  Top Layer w0.3: C21.1 49.9,72.6 X1.3 49.7,73.2 U9.32
pads on no net: HOST.A8 HOST.B8 HOST.MH U1.2 U2.2 U3.2 U4.2 U7.4

## Polygon pours and split planes (outlines as drawn)
GND on Bottom Layer "GND_L04_P001" (solid, remove dead copper, pour order 1): 85.9,39.4 85.9,119.2 46.4,119.2 46.4,119.1 27.2,99.9 27.2,60.2 48,39.4 60.9,39.4
GND on Top Layer "GND_L01_P002" (solid, remove dead copper, pour order 2): 85.9,39.4 85.9,119.2 46.4,119.2 46.4,119.1 27.2,99.9 27.2,60.2 48,39.4 60.9,39.4
GND on Int2 (PWR) (split plane): 86.51,39.026 48.001,39.026 46.554,39.026 26.41,59.17 26.41,99.83 46.17,119.59 85.37,119.59 86.51,119.59
GND on Int1 (GND) (split plane): 86.51,39.026 48.001,39.026 46.554,39.026 26.41,59.17 26.41,99.83 46.17,119.59 85.37,119.59 86.51,119.59

## Keep-outs
Keep-Out Layer:
  lines w0.2: 46.4,38.616 47.384,38.616 86.92,38.616 86.92,119.998 86.918,120 ; 48,38.616 46.384,38.616 26,59 26,100 46,120 85.37,120 86.92,120

## Other copper
Top Layer:
  pour cut-out: 42.95,87.096 43.51,87.096 44.163,86.443 44.163,82.81 43.2,83.773 43.2,83.867 42.84,84.228 42.891,84.279 42.891,85.427
  pour cut-out: 44.425,86.596 44.336,86.507 44.336,86.334 44.422,86.334 44.443,86.355
  pour cut-out: 47.354,85.672 48.546,85.672 48.777,85.44 48.179,84.842 48.179,84.898 47.716,85.36 47.354,85.36 47.354,85.134 47.204,84.983 47.163,85.023 46.872,85.023 46.872,85.285 46.852,85.305
  pour cut-out: 48.116,73.2 48.85,73.85 53.85,73.85 54.5,73.2 54.5,70.685 54.115,70.3 49.016,70.3 48.07,71.245
  region net +3V3: 43.65,87.575 43.65,90.325 43.95,90.625 46.25,90.625 48.5,88.375 48.5,87.05 48.25,86.8 44.425,86.8
  region net +5V_FILT: 59.5,107.4 59.7,107.6 59.7,109.25 59.7,109.3 59.5,109.63 57.53,109.63 57.3,109.4 57.3,107.65 57.55,107.4 58.9,107.4
  region net +5V_PORT4: 60.15,101.925 60.425,101.65 64.175,101.65 64.65,102.125 64.65,102.8 64.85,103 68.41,103 68.7,103.29 68.7,104.021 68.446,104.275 65.096,104.275 64.846,104.525 60.625,104.525 60.15,104.05
  region net +5V_PORT4_FILT: 67.625,99.875 72.15,99.875 72.75,100.475 72.75,101.5 73,101.75 73,102.75 72.75,103 68.851,103 68.601,102.75 67.5,102.75 67,102.25 67,100.5
  region net +5V_PORT1_FILT: 67.625,39.875 72.15,39.875 72.75,40.475 72.75,41.5 73,41.75 73,42.75 72.75,43 68.851,43 68.601,42.75 67.5,42.75 67,42.25 67,40.5
  region net +5V_PORT3_FILT: 67.625,79.875 72.15,79.875 72.75,80.475 72.75,81.5 73,81.75 73,82.75 72.75,83 68.851,83 68.601,82.75 67.5,82.75 67,82.25 67,80.5
  region net +5V_PORT3: 60,82.25 60.5,81.75 64.174,81.75 64.674,82.25 64.674,82.798 64.875,83 68.559,83 68.75,83.191 68.75,84.25 68.2,84.8 63.25,84.8 62.8,85.25 62.787,85.25 62.003,86.035 61.874,85.25 61.5,85.25 60,83.75
  region net +5V_PORT2: 60,62.25 60.5,61.75 64.174,61.75 64.674,62.25 64.674,62.798 64.875,63 68.559,63 68.75,63.191 68.75,64.25 68.2,64.8 63.25,64.8 62.8,65.25 62.787,65.25 62.003,66.035 61.874,65.25 61.5,65.25 60,63.75
  region net +5V_PORT2_FILT: 67.625,59.875 72.15,59.875 72.75,60.475 72.75,61.5 73,61.75 73,62.75 72.75,63 68.851,63 68.601,62.75 67.5,62.75 67,62.25 67,60.5
  region net +5V: 34.1,86.5 37.1,86.5 37.25,86.35 37.25,85.65 36.95,85.35 33.8,85.35 33.175,85.975 33.175,86.775 33.425,86.775 33.45,86.8
  region net +5V_FILT: 41.225,87.025 41.5,87.3 42.95,87.3 43.14,87.49 43.14,88.085 43.05,88.175 36.1,88.175 35.95,88.025 35.95,87.15 36.075,87.025
  region net +5V_FILT: 59.5,87.4 59.7,87.6 59.7,89.25 59.7,89.3 59.5,89.63 57.53,89.63 57.3,89.4 57.3,88.45 58.35,87.4 58.9,87.4
  region net +5V_FILT: 59.5,67.4 59.7,67.6 59.7,69.25 59.7,69.3 59.5,69.63 57.53,69.63 57.3,69.4 57.3,68.45 58.35,67.4 58.9,67.4
  region net +5V_PORT1: 60.75,44.5 61.85,45.6 63.65,45.6 64.75,44.5
  region net +5V_FILT: 59.5,47.4 59.7,47.6 59.7,49.25 59.7,49.3 59.5,49.63 57.53,49.63 57.3,49.4 57.3,48.45 58.35,47.4 58.9,47.4
  region net +5V_PORT1: 60,43.75 60.75,44.5 68.75,44.5 69,44.25 69,43.465 68.535,43 65.25,43 63.75,41.5 60.5,41.5 60,42

## Silkscreen, mask and mechanical layers (free items; w line width, h text height)
Top Overlay:
  drawing of 4 lines, arcs and shapes, not listed
  text "USB Hub" at 34.636,53.5 h2.5 r315
  text "V1.0" at 40.336,53 h2.5 r315